# Altium PCB PCB_Project_Dangrangto.PcbDoc (part 1 of 2) (continued)
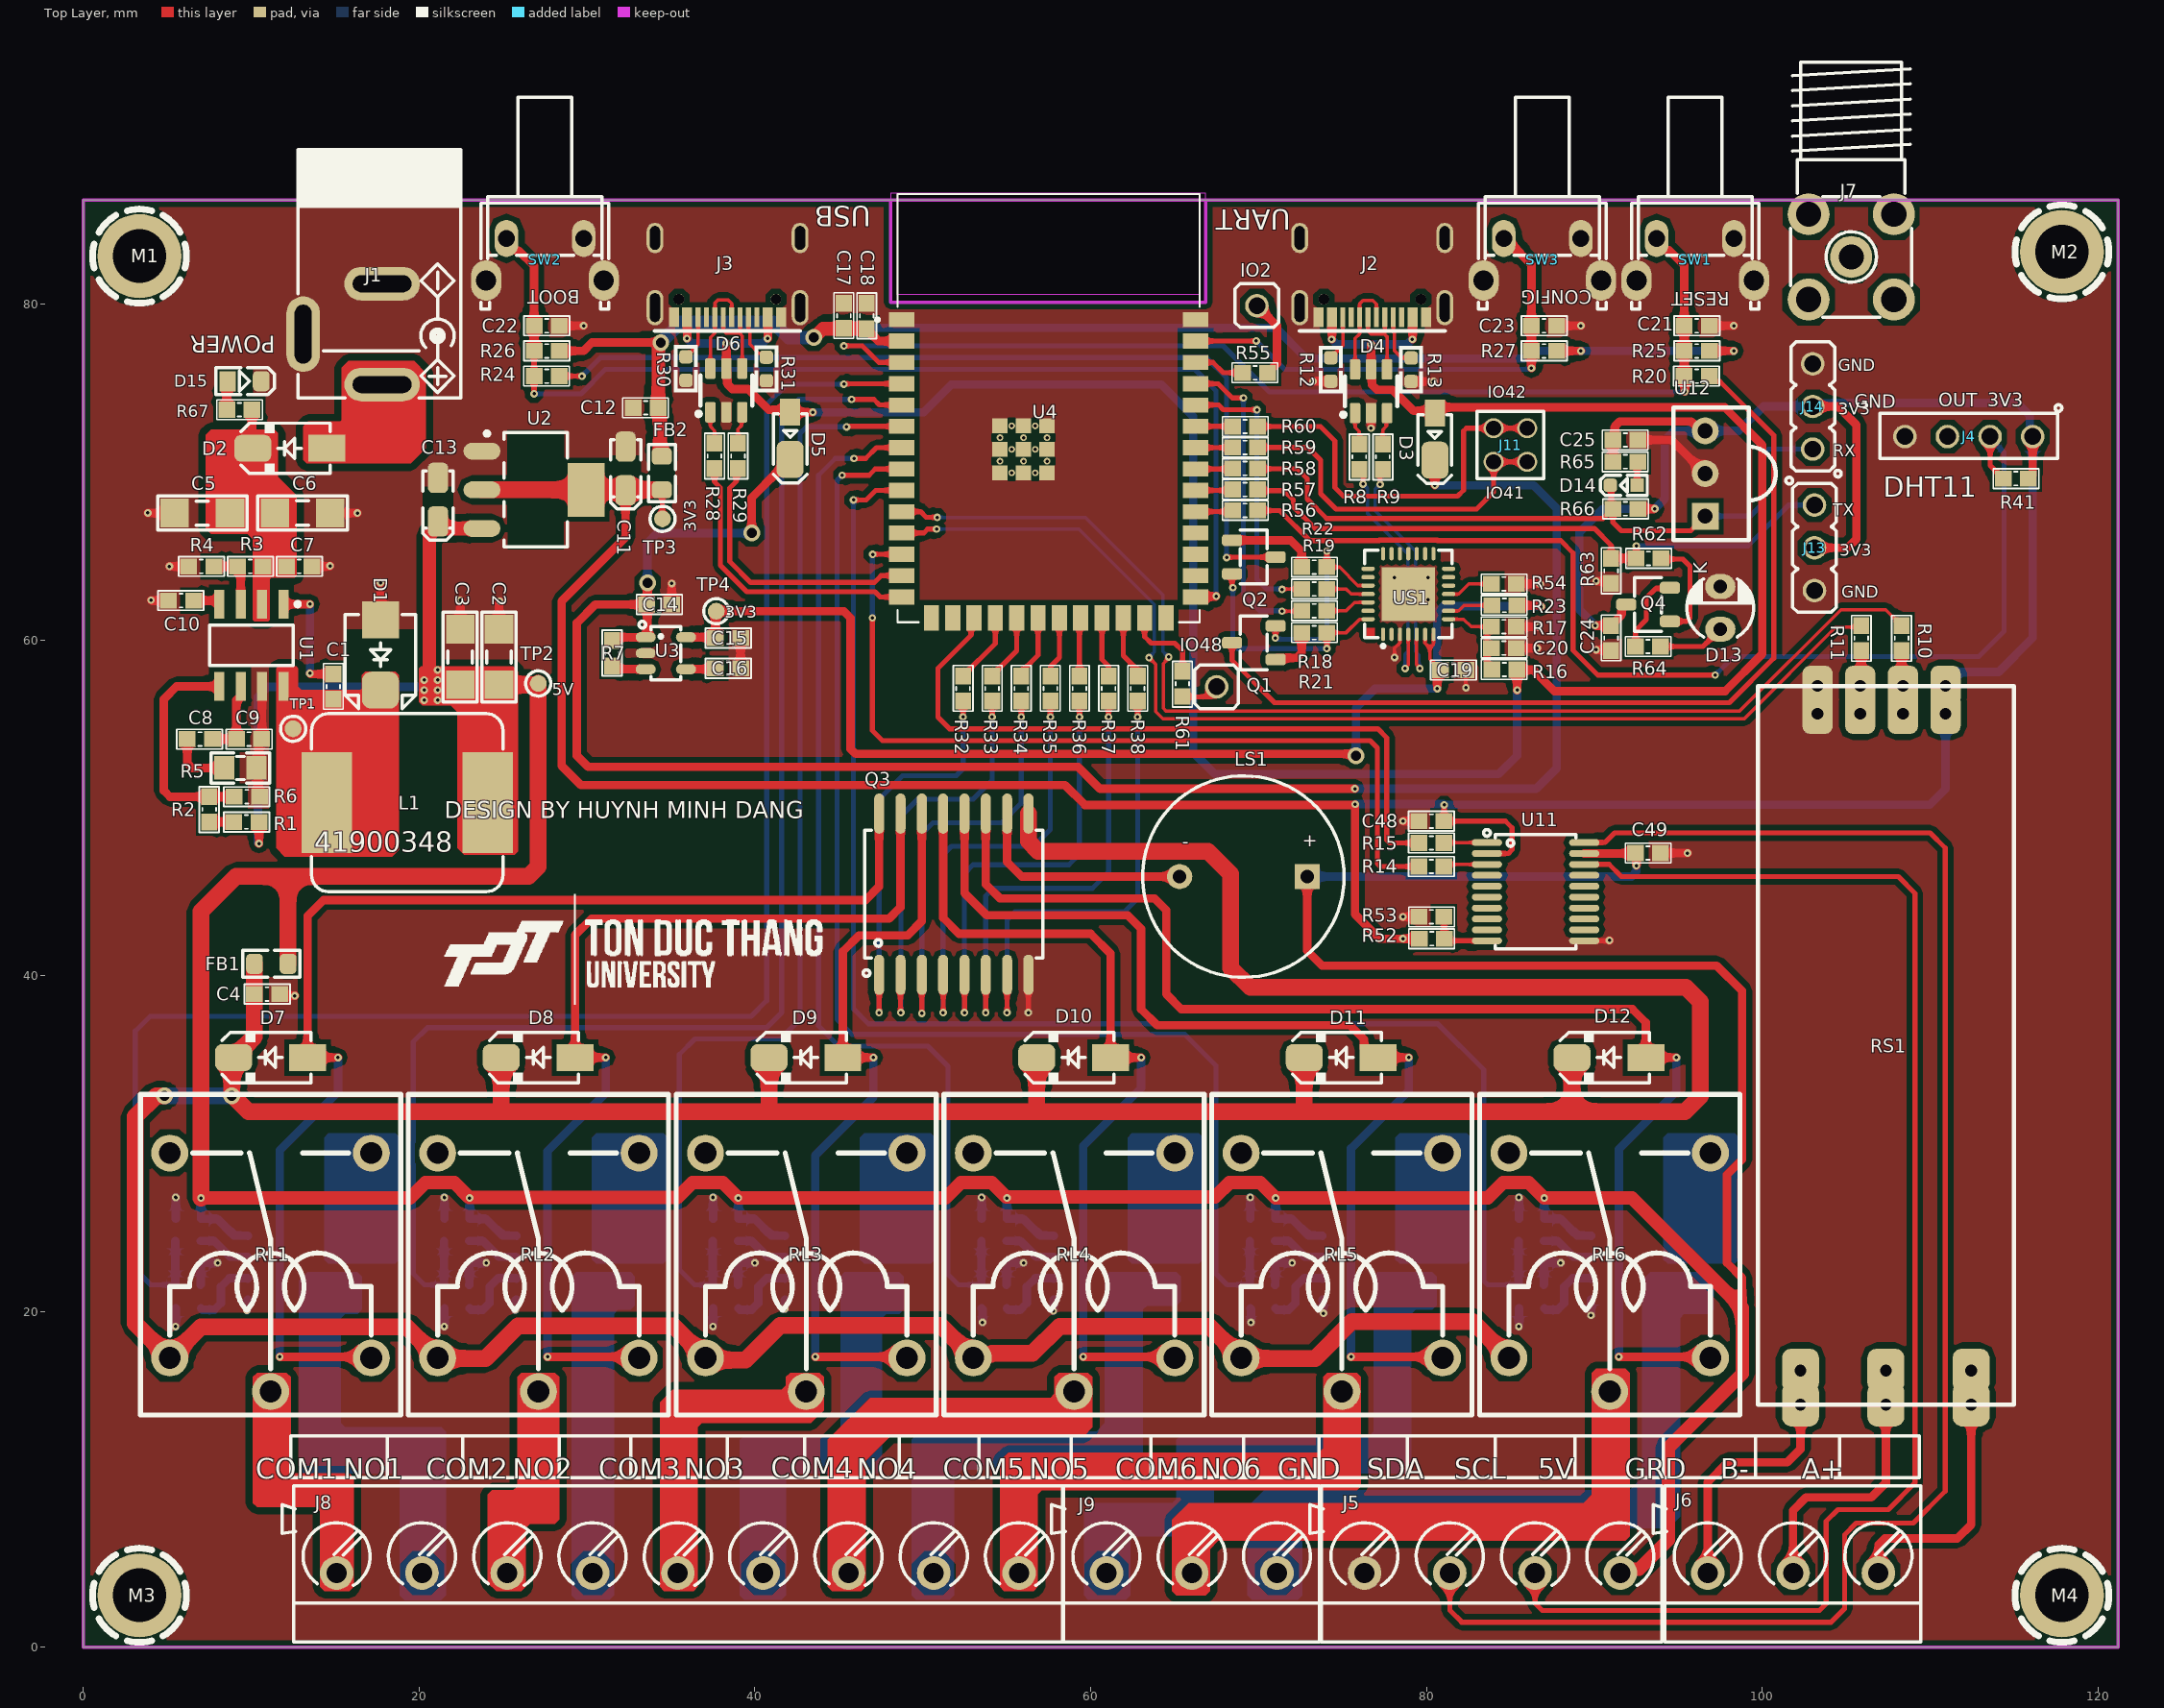
[diagram p0: Top Layer view]
## Components (designator, comment, footprint, x,y, rotation, side; value= is the part's Value field where it differs from the comment) (continued)
SW1 "PUSHBUTTON" SWPBT_SPST_R_6X6X10 96.007,83.9 r0 top
SW2 "PUSHBUTTON" SWPBT_SPST_R_6X6X10 27.5,83.9 r0 top
SW3 "PUSHBUTTON" SWPBT_SPST_R_6X6X10 86.9,83.9 r0 top
TP1 "TESTPOINT_PROBE" TEST_POINT_1.0X1.0MM 12.5,54.7 r0 top value=VALUE
TP2 "TESTPOINT_PROBE" TEST_POINT_1.0X1.0MM 27.1,57.4 r90 top value=VALUE
TP3 "TESTPOINT_PROBE" TEST_POINT_1.0X1.0MM 34.5,67.2 r0 top value=VALUE
TP4 "TESTPOINT_PROBE" TEST_POINT_1.0X1.0MM 37.7,61.7 r90 top value=VALUE
U1 "TPS54331DR_8SOIC" SOIC-8N 10.014,59.671 r270 top
U2 "LM1117IMP-3.3/NOPB" SOT223_4 26.948,68.931 r0 top value=LM1117MP-3.3
U3 "RT9193" SOT23_5 34.7,59.2 r0 top
U4 "ESP32-S3-WROOM-1-N8R8" XCVR_ESP32S3WROOM1N8R8 57.5,73.8 r0 top
U5 "ACS712_8SOIC" SO_8 12.6,22.6 r180 bottom value=ACS712
U6 "ACS712_8SOIC" SO_8 28.6,22.6 r180 bottom value=ACS712
U7 "ACS712_8SOIC" SO_8 44.6,22.6 r180 bottom value=ACS712
U8 "ACS712_8SOIC" SO_8 60.6,22.6 r180 bottom value=ACS712
U9 "ACS712_8SOIC" SO_8 76.6,22.6 r180 bottom value=ACS712
U10 "ACS712_8SOIC" SO_8 92.6,22.6 r180 bottom value=ACS712
U11 "TXS0108E" SOG65_20 86.5,45 r0 top
U12 "IR_Receiver_1838" IR_1838 96.6,69.9 r90 top
US1 "CP2102_QFN28" QFN50_28T 78.919,62.726 r90 top value=CP2102

## Footprints (in the part's own frame and the unit in brackets; to place one, negate y for a bottom-side part, rotate by r counter-clockwise, add the part's x,y. Pads: shape width x height; smd on the part's side, far side on the other; paste and mask are expansions set on the pad)
Buzzer [mm] "2PIN, 3.5mm pitch, 0.8mm pin width"
  rect 1.5x1.5 hole 0.8: 1(-3.8,0)
  round 1.5 hole 0.8: 2(3.8,0)
  silkscreen extent -6,-6 6,6, body extent -6.08,-6.01 9.37,5.99, height 9.65
C_TN_3216 [mm] "CAPACITOR, TAN A, 1206P, 3.2x1.6mm"
  rrect50% 1.8x1.2 smd mask+0.075: 1(-1.3,0) 2(1.3,0)
  Top Layer pour cut-out: -0.762,0.9 0.762,0.9 0.762,-0.9 -0.762,-0.9
  silkscreen extent -2.4,-0.9 1.7,0.9, body extent -1.7,-0.9 1.7,0.9, height 1.7
D_SMA [mm] "SMA Molded Diode, 2-Leads, Body 4.3x2.7mm, SOD-128"
  rect 2.2x1.6 smd: 1(-2.2,0)
  rrect50% 2.2x1.6 smd: 2(2.2,0)
  silkscreen extent -2.4,-1.5 2.9,1.5, body extent -2.75,-1.4 2.75,1.4, height 2.6
D_SMB [mm] "SMB Molded Diode, 2-Leads, Body 4.3x3.5mm"
  rect 2.2x2.2 smd: 1(-2.1,0)
  rrect50% 2.2x2.2 smd: 2(2.1,0)
  Top Layer pour cut-out: -1.524,2.1 -1.524,-2.1 1.524,-2.1 1.524,2.1
  silkscreen extent -2.4,-2.1 3.2,2.1, body extent -2.75,-1.95 2.75,1.95, height 2.45
D_SOD123W [mm] "PowerDI-123, SOD123, DO-213AA, 1206D"
  rect 1.6x1.2 smd mask+0.1: 1(-1.6,0)
  rrect50% 2.2x1.6 smd mask+0.1: 2(1.2,0)
  Top Layer pour cut-out: -1.016,1.1 -1.016,-1.1 1.016,-1.1 1.016,1.1
  silkscreen extent -1.5,-1 2.6,1, body extent -1.95,-0.97 1.95,0.96, height 1
HDR2_M_2X2 [mm] "Connector; Header; 2mm Pitch"
  round 1.2 / inner round 1.2 / far side oval 1.2x1.6 hole 0.9: 1(-1,-1) 2(-1,1) 3(1,-1) 4(1,1)
  silkscreen extent -2,-2 2,2, body extent -1.95,-2 1.95,2, height 6
HDR_F_1X4 [mm] "HEADER FEMALE pitch: 2.54mm"
  round 1.4 / inner round 1.4 / far side oval 1.4x2.2 hole 1 mask+0.1: 1(-3.81,0) 2(-1.27,0) 3(1.27,0) 4(3.81,0)
  silkscreen extent -5.54,-1.9 5.3,1.3, body extent -5.2,-1.3 5.21,1.2, height 8.5
HDR_M_1 [mm] "Connector; Header; 1 Position"
  round 1.4 / inner round 1.4 / far side oval 1.4x2.2 hole 1 mask+0.1: 1(0,0)
  silkscreen extent -1.3,-1.3 1.3,1.3, body extent -1.27,-1.27 1.27,1.27, height 8.54
HDR_M_1X3 [mm] "Connector; Header; 3 Position"
  round 1.4 / inner round 1.4 / far side oval 1.4x2.2 hole 1 mask+0.1: 1(-2.54,0) 2(0,0) 3(2.54,0)
  silkscreen extent -4.2,-1.7 3.84,1.3, body extent -3.78,-1.27 3.84,1.27, height 8.54
IR_1838 [mm] "SIP; 3 Leads; Body 3 x 4 x 1.5 mm (typ); Pitch 1.27 mm"
  rect 1.6x1.6 hole 0.9: 1(-2.54,0)
  round 1.6 hole 0.9: 2(0,0) 3(2.54,0)
  silkscreen extent -3.96,-4.21 3.93,1.88
JAC_PWR2 [mm] "DC POWER JACK, Power Jack KLDX-0202"
  oval 4.5x2 hole 1 slot 3.5 at 0 deg: 1(0,0) 2(0,6)
  oval 2x4.5 hole 1 slot 3.5 at 90 deg: 3(-4.7,3)
  silkscreen extent -5,-0.8 4.7,14, body extent -4.9,-0.65 4.5,13.85, height 10.8
L0805 [mm] "INDUCTOR, FERRITE BEAD, 0805, 2.0X1.3mm"
  rrect50% 1x1.2 smd mask+0.075: 1(-1,0) 2(1,0)
  Top Layer pour cut-out: -0.5,0.8 0.5,0.8 0.5,-0.8 -0.5,-0.8
  silkscreen extent -1.7,-0.8 1.7,0.8, body extent -1,-0.6 1,0.6, height 0.95
L_10 [mm] "INDUCTOR, 10.5X11.5mm, CDRH104R, MSS1038 (coilcraft)"
  rect 3x6 smd: 1(-4.8,0) 2(4.8,0)
  silkscreen extent -5.7,-5.3 5.7,5.3, body extent -5.75,-5.15 5.75,5.15, height 4.01
LED3MM [mm] "LED THD 3MM"
  oval 1.5x1.8 hole 0.8: 1(-1.27,0) 2(1.27,0)
  silkscreen extent -1.73,-2 1.73,2, body extent -1.9,-1.9 1.6,1.9, height 6.5
LED0603RED [mm] "LED SMD 0603, RED"
  rect 0.8x0.8 smd mask+0.075: 1(-0.8,0)
  rrect50% 0.8x0.8 smd mask+0.075: 2(0.8,0)
  silkscreen extent -1.4,-0.6 1.4,0.6, body extent -0.8,-0.4 0.8,0.4, height 0.5
LED0805RED [mm] "LED SMD 0805, RED"
  rect 1x1.2 smd mask+0.075: 1(-1,0)
  rrect50% 1x1.2 smd mask+0.075: 2(1,0)
  Top Layer pour cut-out: -0.5,0.8 0.5,0.8 0.5,-0.8 -0.5,-0.8
  silkscreen extent -1.7,-0.8 1.8,0.8, body extent -1,-0.63 1,0.63, height 0.7
QFN50_28T [mm] "QFN, 28, 5X5mm, 0.5mm"
  oval 0.8x0.25 smd mask+0.075: 1(-2.4,1.5) 2(-2.4,1) 3(-2.4,0.5) 4(-2.4,0) 5(-2.4,-0.5) 6(-2.4,-1) 7(-2.4,-1.5) 15(2.4,-1.5) 16(2.4,-1) 17(2.4,-0.5) 18(2.4,0) 19(2.4,0.5) 20(2.4,1) 21(2.4,1.5)
  oval 0.25x0.8 smd mask+0.075: 8(-1.5,-2.4) 9(-1,-2.4) 10(-0.5,-2.4) 11(0,-2.4) 12(0.5,-2.4) 13(1,-2.4) 14(1.5,-2.4) 22(1.5,2.4) 23(1,2.4) 24(0.5,2.4) 25(0,2.4) 26(-0.5,2.4) 27(-1,2.4) 28(-1.5,2.4)
  rect 3.2x3.2 smd mask+0.075: 29(0,0)
  Top Layer region: -2.5,2 -2,2 -2,2.5 -2.5,2.5
  silkscreen extent -3.2,-2.6 2.6,2.6, body extent -2.5,-2.5 2.5,2.5, height 1
R0603 [mm] "CHIP Resistor 1/10 WATT, 1.6x0.8mm, 0603, OPTIMIZED"
  rrect50% 0.8x0.8 smd mask+0.075: 1(-0.7,0) 2(0.7,0)
  Top Layer pour cut-out: -0.5,0.4 0.5,0.4 0.5,-0.4 -0.5,-0.4
  silkscreen extent -1.4,-0.7 1.4,0.7, body extent -0.85,-0.4 0.85,0.4, height 0.56
RL_10A_5V [mm] "Relay SRD-05VDC-SL-C, 5 pin, 10A,19.1X15.5"
  round 2.2 hole 1.3 mask+0.1: 1(-7.1,0) 2(7.1,6) 3(7.1,-6) 4(-5.1,-6) 5(-5.1,6)
  silkscreen extent -8.5,-7.75 10.6,7.75, body extent -8.39,-7.61 10.71,7.89, height 15.6
"RS485 - Version2" [mm]
  rrect50% 2.4x1.8 hole 0.7: 1(22.098,12.446) 1(23.749,12.446) 2(22.098,14.986) 2(23.749,14.986) 3(22.098,17.526) 3(23.749,17.526) 4(22.098,20.066) 4(23.749,20.066)
  rrect50% 2.6x2.2 hole 0.7: 5(62.865,21.59) 5(64.897,21.59) 6(62.865,16.51) 6(64.897,16.51) 7(62.865,11.43) 7(64.897,11.43)
  silkscreen extent 22.1,8.89 64.9,24.13, body extent 21.46,9.4 65.46,23.4, height 2.5
SCMH_M3FT [mm] "SCREW mouting, M3, 3.0mm diameter and 6.0mm, FlatHead"
  round 5 / inner round 3.5 / far side round 5 hole 3.2 mask+0.1: 1(0,0)
  Top Layer pour cut-out: 0,3 -1.148,2.772 -2.121,2.121 -2.772,1.148 -3,0 -3,0 -2.772,-1.148 -2.121,-2.121 -1.148,-2.772 0,-3 0,-3 1.5,-2.598 2.598,-1.5 3,0 3,0 2.772,1.148 2.121,2.121 1.148,2.772 0,3
  Bottom Layer pour cut-out: 0,3 -1.148,2.772 -2.121,2.121 -2.772,1.148 -3,0 -3,0 -2.772,-1.148 -2.121,-2.121 -1.148,-2.772 0,-3 0,-3 1.5,-2.598 2.598,-1.5 3,0 3,0 2.772,1.148 2.121,2.121 1.148,2.772 0,3
  silkscreen extent -2.8,-2.8 2.8,2.8
SMA_RA [mm] "CONN, RF, COAX, SMA, RIGHT ANGLE THD"
  round 2.5 hole 1.5: 1(0,0) 2(-2.54,-2.54) 3(2.54,-2.54) 4(2.54,2.54) 5(-2.54,2.54)
  silkscreen extent -3.6,-3.6 3.6,11.6, body extent -3.5,-3.54 3.5,11.56, height 10.26
SO_8 [mm] "SOP-8, 5x3.9mm body 1.27mm pitch, SOT96-1, M08A, S8, SOIC8, VO8, MS-012AA(JEDEC), R-8, 8S2, VOG8"
  oval 2x0.6 smd: 1(-2.8,1.905) 2(-2.8,0.635) 3(-2.8,-0.635) 4(-2.8,-1.905) 5(2.8,-1.905) 6(2.8,-0.635) 7(2.8,0.635) 8(2.8,1.905)
  silkscreen extent -2.8,-2.7 2.1,2.8, body extent -3,-2.45 3,2.45, height 1.7
SO_16_W [mm] "SOP, SOIC, 7.5mm width, 1.27mm pitch,"
  oval 2.4x0.6 smd: 1(-4.8,4.445) 2(-4.8,3.175) 3(-4.8,1.905) 4(-4.8,0.635) 5(-4.8,-0.635) 6(-4.8,-1.905) 7(-4.8,-3.175) 8(-4.8,-4.445) 9(4.8,-4.445) 10(4.8,-3.175) 11(4.8,-1.905) 12(4.8,-0.635) 13(4.8,0.635) 14(4.8,1.905) 15(4.8,3.175) 16(4.8,4.445)
  silkscreen extent -4.9,-5.3 3.8,5.4, body extent -5.21,-5.25 5.42,5.25, height 2.62
SOG65_20 [mm] "PW TSSOP (TI), MO-153-AC (JEDEC), 20Lead, pitch: 0.65mm, 6.5x4.4x1.2mm"
  oval 1.8x0.4 smd mask+0.075: 1(-2.9,2.925) 2(-2.9,2.275) 3(-2.9,1.625) 4(-2.9,0.975) 5(-2.9,0.325) 6(-2.9,-0.325) 7(-2.9,-0.975) 8(-2.9,-1.625) 9(-2.9,-2.275) 10(-2.9,-2.925) 11(2.9,-2.925) 12(2.9,-2.275) 13(2.9,-1.625) 14(2.9,-0.975) 15(2.9,-0.325) 16(2.9,0.325) 17(2.9,0.975) 18(2.9,1.625) 19(2.9,2.275) 20(2.9,2.925)
  silkscreen extent -3.1,-3.4 2.4,3.7, body extent -3.2,-3.25 3.2,3.25, height 1.2
SOIC-8N [mm] "SOIC, 8-Leads, Body 4.9x3.9mm, Pitch 1.27mm, IPC High Density"
  rect 1.7x0.6 smd: 1(-2.45,1.905) 2(-2.45,0.635) 3(-2.45,-0.635) 4(-2.45,-1.905) 5(2.45,-1.905) 6(2.45,-0.635) 7(2.45,0.635) 8(2.45,1.905)
  silkscreen extent -2.57,-2.5 1.2,2.88, body extent -3.1,-2.41 3.1,2.41, height 1.7
SOT23_3 [mm] "SOT-23, Micro3, MO-178, TO-236AB, MO-193C, SuperSOT3, SC-59, 1.5x3mm, Pitch 1.9mm"
  rrect50% 1.2x0.7 smd mask+0.1: 1(-1.3,1) 2(-1.3,-1) 3(1.3,0)
  silkscreen extent -0.8,-1.6 0.8,1.6, body extent -1.32,-1.5 1.32,1.5, height 1.08
SOT23_5 [mm] "SOT-23-5, SOT25, SOT-25, DBV(R-PDSO-G5), SOT753, TSOT23-5, SC-74A, SOT23-5, S5-T (LINEAR), MO-178AA, MO-193AB(JEDEC), MF05A (NS), TSOP-5(ON), UJ-5 (AD), 1.5x3mm, Pitch 0.65mm"
  oval 1.2x0.6 smd: 1(-1.2,0.95) 2(-1.2,0) 3(-1.2,-0.95) 4(1.2,-0.95) 5(1.2,0.95)
  silkscreen extent -1.6,-1.6 0.9,1.9, body extent -1.25,-1.5 1.25,1.5, height 1.15
SOT223_4 [mm] "SOT223, 4-Leads, Body 6.5x3.5mm, Pitch 2.30mm"
  oval 2.2x1 smd: 1(-3.2,2.3) 2(-3.2,0) 3(-3.2,-2.3)
  rect 2.2x3.2 smd: 4(3,0)
  Top Layer pour cut-out: -1.7,3.556 1.7,3.556 1.7,-3.556 -1.7,-3.556
  silkscreen extent -3.02,-3.4 1.9,3.47, body extent -3.5,-3.25 3.5,3.25, height 1.7
SOT-23-6_L2.9-W1.6-P0.95-LS2.8-BR [mm]
  rrect30% 1.22x0.62 smd: 1(1.3,-0.95) 2(1.3,0) 3(1.3,0.95) 4(-1.3,0.95) 5(-1.3,0) 6(-1.3,-0.95)
  silkscreen extent -0.9,-1.78 1.52,1.55, body extent -1.4,-1.45 1.4,1.45, height 1.45
SWPBT_SPST_R_6X6X10 [mm] "SWITCH, PUSHBUTTON, THD, SPST, 6X6mm, RIGHT ANGLE"
  oval 1.4x2.2 hole 1 mask+0.1: 1(-2.3,0) 2(2.3,0)
  oval 1.8x2.4 hole 1.2 mask+0.1: MH1(-3.5,-2.5) MH2(3.5,-2.5)
  silkscreen extent -3.8,-4.2 3.8,8.4, body extent -3.7,-4.15 3.7,8.35, height 7
TBB_3 [mm] "Terminal Block Blue"
  round 2 / inner round 2 / far side rect 2.4x3 hole 1.2: 1(-5.08,0)
  round 2 / inner round 2 / far side oval 2.4x3 hole 1.2: 2(0,0) 3(5.08,0)
  silkscreen extent -7.6,-5.2 8.34,4.1, body extent -7.49,-5.07 8.33,4, height 12.78
TBB_4 [mm] "Terminal Block Blue"
  round 2 / inner round 2 / far side rect 2.4x3 hole 1.2: 1(-7.62,0)
  round 2 / inner round 2 / far side oval 2.4x3 hole 1.2: 2(-2.54,0) 3(2.54,0) 4(7.62,0)
  silkscreen extent -10.1,-5.2 10.88,4.1, body extent -10.03,-5.03 10.87,4.04, height 12.52
TBB_9 [mm] "Terminal Block Blue"
  round 2 / inner round 2 / far side rect 2.4x3 hole 1.2: 1(-20.32,0)
  round 2 / inner round 2 / far side oval 2.4x3 hole 1.2: 2(-15.24,0) 3(-10.16,0) 4(-5.08,0) 5(0,0) 6(5.08,0) 7(10.16,0) 8(15.24,0) 9(20.32,0)
  silkscreen extent -22.9,-5.2 23.58,4.1, body extent -22.76,-5.05 23.54,4.01, height 12.52
TEST_POINT_1.0X1.0MM [mm]
  round 1 smd: 1(0,0)
  silkscreen extent -0.75,-0.75 0.75,0.75
"tro smd 0603" [mm] "Chip Capacitor, 2-Leads, Body 1,60x0,80mm, IPC Medium Density"
  rect 1x0.95 smd mask+0.076: 1(-0.75,0) 2(0.75,0)
  silkscreen extent -1.35,-0.58 1.37,0.58, body extent -0.82,-0.42 0.82,0.43, height 0.44
"tro smd 0805" [mm]
  rect 1.2x1.4 smd: 1(-0.946,-0.061) 2(0.954,-0.061)
  silkscreen extent -1.75,-0.97 1.75,0.84, body extent -1.56,-0.76 1.44,0.64, height 0.53
"tu 0603" [mm] "Chip Capacitor, 2-Leads, Body 1,60x0,80mm, IPC Medium Density"
  rect 1x0.95 smd mask+0.076: 1(-0.75,0) 2(0.75,0)
  silkscreen extent -1.35,-0.58 1.37,0.58, body extent -0.8,-0.4 0.8,0.4, height 0.9
"tu 1206" [mm]
  rect 1.7x1.7 smd: 1(-1.65,0) 2(1.65,0)
  silkscreen extent -2.67,-1.02 2.67,1.02, body extent -1.57,-0.8 1.63,0.8, height 0.94
USB-C-SMD_TYPE-C16PIN [mm]
  oval 1x2.099 hole 0.6 slot 1.7 at 90 deg: 1(4.295,-1.762) 2(-4.345,-1.762)
  oval 1x1.799 hole 0.6 slot 1.4 at 90 deg: 3(4.295,2.388) 4(-4.345,2.388)
  rect 0.6x1.15 smd mask+0.051: A1B12(3.175,-2.337) A4B9(2.375,-2.337) B1A12(-3.225,-2.337) B4A9(-2.425,-2.337)
  rect 0.3x1.15 smd mask+0.051: A5(1.225,-2.337) A6(0.225,-2.337) A7(-0.275,-2.337) A8(1.725,-2.337) B5(-1.775,-2.337) B6(-0.775,-2.337) B7(0.725,-2.337) B8(-1.275,-2.337)
  round 0.65 hole 0.65 unplated: ""(-2.915,-1.262) ""(2.865,-1.262)
  silkscreen extent -4.34,-3.15 4.29,-3.15, body extent -4.5,-2.91 4.45,4.99, height 3.16
XCVR_ESP32S3WROOM1N8R8 [mm]
  rect 1.5x0.9 smd: 1(-8.75,5.26) 2(-8.75,3.99) 3(-8.75,2.72) 4(-8.75,1.45) 5(-8.75,0.18) 6(-8.75,-1.09) 7(-8.75,-2.36) 8(-8.75,-3.63) 9(-8.75,-4.9) 10(-8.75,-6.17) 11(-8.75,-7.44) 12(-8.75,-8.71) 13(-8.75,-9.98) 14(-8.75,-11.25) 27(8.75,-11.25) 28(8.75,-9.98) 29(8.75,-8.71) 30(8.75,-7.44) 31(8.75,-6.17) 32(8.75,-4.9) 33(8.75,-3.63) 34(8.75,-2.36) 35(8.75,-1.09) 36(8.75,0.18) 37(8.75,1.45) 38(8.75,2.72) 39(8.75,3.99) 40(8.75,5.26)
  rect 0.9x1.5 smd: 15(-6.985,-12.5) 16(-5.715,-12.5) 17(-4.445,-12.5) 18(-3.175,-12.5) 19(-1.905,-12.5) 20(-0.635,-12.5) 21(0.635,-12.5) 22(1.905,-12.5) 23(3.175,-12.5) 24(4.445,-12.5) 25(5.715,-12.5) 26(6.985,-12.5)
  rect 0.9x0.9 smd: 41_1(-1.5,-2.46) 41_2(-2.9,-2.46) 41_3(-0.1,-2.46) 41_4(-2.9,-3.86) 41_5(-1.5,-3.86) 41_6(-0.1,-3.86) 41_7(-2.9,-1.06) 41_8(-1.5,-1.06) 41_9(-0.1,-1.06)
  round 0.4 hole 0.2 mask+0: 41_10(-1.5,-1.76) 41_11(-2.9,-1.76) 41_12(-0.1,-1.76) 41_13(-2.9,-3.16) 41_14(-1.5,-3.16) 41_15(-0.1,-3.16) 41_16(-2.2,-1.06) 41_17(-0.8,-1.06) 41_18(-2.2,-2.46) 41_19(-0.8,-2.46) 41_20(-2.2,-3.86) 41_21(-0.8,-3.86)
  Keep-Out Layer region: 9,6.75 -9,6.75 -9,12.75 9,12.75
  Keep-Out Layer region: 9,6.75 -9,6.75 -9,12.75 9,12.75
  silkscreen extent -10.3,-12.75 9,12.75, body extent -9,-12.75 9,12.75, height 3.25

## Part data
C1 C4 C7 C8 C9 C12 C14 C15 C16 C17 C18 C19 C20 C21 C22 C23 C24 C25 C30 C31 C32 C33 C34 C35 C36 C37 C38 C39 C40 C41 C42 C43 C44 C45 C46 C47 C48 C49: library part "Tu 0603 470pF 50V 10%", "Capacitor, Ceramic, 50V", Chung_Loai=Dán, Don_Vi=Con, So_Chan=2, Ten_Linh_Kien="Tụ 0603 470P 50V 10%"
  C1 C4 C12 C17 C21 C22 C23 C25 C30 C31 C32 C33 C36 C37 C38 C39 C42 C43 C44 C45 C48 C49: Ma_Hang=100nF
  C7: Ma_Hang=0.01uF
  C8: Ma_Hang=1000pF
  C9: Ma_Hang=47pF
  C14 C15 C20 C24: Ma_Hang=1uF
  C16: Ma_Hang=22nF
  C18: Ma_Hang=22uF
  C19: Ma_Hang=10uF
  C34 C35 C40 C41 C46 C47: Ma_Hang=1nF
C2 C3 C5 C6: library part "Tu 1206 103 50V 10%", "Capacitor, Ceramic, 50V", Chung_Loai=Dán, Don_Vi=Con, So_Chan=2, Ten_Linh_Kien="Tụ 1206 103-10nF 10% 50V"
  C2 C3: Ma_Hang=47uF
  C5 C6: Ma_Hang=4.7uF
C10: library part "Tu 0603 470pF 50V 10%", "CAP SMD 0603", Chung_Loai=Dán, Don_Vi=Con, Ma_Hang=0.01uH, So_Chan=2, Ten_Linh_Kien="Tụ 0603 470P 50V 10%"
C11: library part CAP_SMD_TAN_10uF_6.3V, "CAP, SMD, TAN", MANF=VISHAY, MANF_P#=T55A106M6R3C0300, PARAM="20%, 300mOhm, -55~105oC", PARAM2=6.3V, PRICE=0.46$
C13: library part CAP_SMD_TAN_10uF_10V, "CAP, SMD, TAN", MANF=VISHAY, MANF_P#=T55A106M010C0300, PARAM="20%, 300mOhm, -55~105oC", PARAM2=10V, PRICE=0.46$
D1: library part DIODE_SMD_SCHOTTKY_SS34, "DIODE, SCHOTTKY, 20V, 3A", ASSEMBLY=ASSEMBLY, DESC=DESCRIPTION, MANF=VISHAY, MANF_P#=SS34, PARAM=20V, PARAM2=3A, PRICE=PRICE
D2: library part DIODE_SMD_SCHOTTKY_1N5822, "DIODE, SCHOTTKY, 40V, 3A", ASSEMBLY=ASSEMBLY, DESC=DESCRIPTION, MANF=DIODES, MANF_P#=1N5822, PARAM=40V, PARAM2=3A, PRICE=PRICE
D3 D5: library part DIODE_SMD_SCHOTTKY_1N5819, "DIODE, SCHOTTKY, 40V, 1A", ASSEMBLY=ASSEMBLY, DESC=DESCRIPTION, MANF=DIODES, MANF_P#=1N5819HW-7-F, PARAM=40V, PARAM2=1A, PRICE=PRICE
D4 D6: library part ESD_TPUSBLC6-2SC6, "ESD ROHS SOT23-6 DIODES", LCSC Part Number=C558442, Manufacturer="TECH PUBLIC", Package=SOT-23-6, Assembly Type="SMT Assembly", Manufacturer Part Number=TPUSBLC6-2SC6
D7 D8 D9 D10 D11 D12: library part DIODE_SMD_1N4007, "DIODE, GENERAL PURPOSE, 1000V/1A", ASSEMBLY=ASSEMBLY, DESC=DESCRIPTION, MANF=Kingtronics, MANF_P#=M7, PARAM="1000V VRRM", PARAM2=1A, PRICE=PRICE
D13: library part LED_THD_3MM, "LED, THD, 3MM, GREEN", ASSEMBLY=ASSEMBLY, DESC=DESCRIPTION, MANF=MANF, MANF_P#=MANF_PART#, PARAM2=2.2V, PRICE=PRICE
D14: library part LED_SMD_0603_RED, "LED, SMD, 0603, RED", ASSEMBLY=ASSEMBLY, DESC=DESCRIPTION, MANF=MANF, MANF_P#=MANF_PART#, PARAM="30mA, 640nm", PARAM2=1.8~2.5V, PRICE=PRICE
D15: library part LED_SMD_0805_RED, "LED, SMD, 0805, RED", ASSEMBLY=ASSEMBLY, DESC=DESCRIPTION, MANF=MANF, MANF_P#=MANF_PART#, PARAM2=2.2V, PRICE=36t@Javan
FB1 FB2: library part FBEAD_SMD_BLM21PG221, "FERRITE_Bead, 0805, 2A, 50mOhm, 220@100MHz", MANF=MURATA, MANF_P#=BLM15AG121SN1D, PARAM=220@100MHz, PARAM2="2A, 50mOhm"
IO2 IO48: library part HDR_M_1, "CONN, HEADER, Male, pitch: 2.54mm, 1POS"
J1: library part CONN_PWR_JACKR2, "CONN, PWR JACK DC, PLUG DIAM 2.0MM RA THD", MANF="CUI STACK", MANF_P#="PJ-202A, PJ-002AH, PJ-102AH, KLDX-0202"
J2 J3: "5A 1 Surface Mount 16 Female -25℃~+85℃ Type-C SMD USB Connectors ROHS", LCSC Part Number=C2765186, Manufacturer="SHOU HAN", Manufacturer Part Number=TYPE-C16PIN, Package=SMD, Assembly Type="SMT Assembly"
J4: library part HDR_F_1X4, "CONN, HEADER, Female, pitch: 2.54mm, 4POS"
J5 J6 J8 J9: "CONN, TERMINAL BLOCK, 5.08mm pitch"
J7: library part CONN_RF_SMA_RA, "CONN, RF, SMA, Right Angle", ASSEMBLY=ASSEMBLY, DESC=DESCRIPTION, DIST#=DIGIKEY, MANF=Samtec, MANF_P#=SMA-J-P-H-RA-TH1, PARAM="50Ohm, 20GHz", PARAM2=GOLD, PRICE=6.3$
J11: library part HDR2_M_2X2, "CONN, HEADER, Male, pitch: 2mm, 4POS", MANF=MANF, MANF_P#=MANF_PART#
J13 J14: library part HDR_M_1X3, "CONN, HEADER, Male, pitch: 2.54mm, 3POS"
L1: library part INDPWR_SMD, "INDUCTOR, POWER, SMD"
LS1: "Magnetic Transducer Buzzer", ComponentLink1Description="Manufacturer Link", ComponentLink1URL=http://www.megastar.com/linecard/buzzmode/index.php, DatasheetDocument=17-Dec-2003, LatestRevisionDate=17-Dec-2003, LatestRevisionNote="Schematic revised, PCB Footprint replaced.", PackageReference=ABSM-1574, Published=24-Mar-1999, Publisher="Altium Limited"
M1 M2 M3 M4: library part SCMH_M3FT, "SCREW mouting, M3, 3.0mm diameter and 6.0mm, FlatHead", ASSEMBLY=DNP
Q1 Q2: library part NPN_MMBT8050_SOT23, "BJT, NPN, 25v, 1.5A, SMD, SOT23", MANF=GALAXY, MANF_P#=MMBT8050, PARAM="25v, 1.5A", PARAM2=300mW, PRICE=0.09t@JAVAN
Q3: "Darlington, 7-CH, 50V, 0.5A", MANF=DIODES, MANF_P#=ULN2003A, PARAM="7-CH, 50V, 0.5A", PARAM2=-
Q4: library part NPN_SS8050_SOT23, "BJT, NPN, 25v, 1.5A, SMD, SOT23", MANF=GALAXY, MANF_P#=SS8050, PARAM="25v, 1.5A", PARAM2=300mW
R1 R2 R3 R4 R6 R7 R8 R9 R10 R11 R14 R15 R16 R17 R18 R19 R20 R21 R22 R23 R24 R25 R26 R27 R28 R29 R32 R33 R34 R35 R36 R37 R38 R39 R40 R41 R42 R43 R44 R45 R46 R47 R48 R49 R50 R51 R52 R53 R54 R55 R56 R57 R58 R59 R60 R61 R62 R63 R64 R65 R66 R67: library part "Tro 0603 5% 10k", "RES SMD 0603", Chung_Loai=Dán, Don_Vi=Con, So_Chan=2, Ten_Linh_Kien="Trở 0603 5% 10k"
  R1 R8 R9 R10 R11 R14 R15 R18 R19 R20 R24 R28 R29 R32 R33 R34 R35 R36 R37 R38 R55 R56 R57 R58 R59 R60 R61: Ma_Hang=0R
  R2: Ma_Hang=6K8
  R3 R7 R21 R22 R54 R67: Ma_Hang=10K
  R4 R23 R25 R26 R27 R39 R40 R41 R44 R45 R48 R49 R52 R53 R62 R65: Ma_Hang=1K
  R6: Ma_Hang=1K3
  R16: Ma_Hang=22.1K
  R17: Ma_Hang=47.5K
  R42 R43 R46 R47 R50 R51: Ma_Hang=2K
  R63: Ma_Hang=22K
  R64: Ma_Hang=11
  R66: Ma_Hang=4K7
R5: library part "Tro 0805 1% 5.1k", "Dán", Chung_Loai=Dán, Don_Vi=Con, Ma_Hang=29.4K, So_Chan=2, Ten_Linh_Kien="Trở 0805 1% 5.1k"
R12 R13 R30 R31: library part RES_SMD_0603, "RESISTOR, SMD", ASSEMBLY=ASSEMBLY, DESC=DESCRIPTION, DIST#=MOUSER, MANF=-, MANF_P#=-, PARAM=-W, PARAM2=1%, PRICE="100= 0.5$"
RL1 RL2 RL3 RL4 RL5 RL6: library part "Relay 5V10A", "Relay SPDT,10A - 12VDC 5 Pin"
SW1 SW2 SW3: library part SWPBT_SPST_R_6X6X10, "SWITCH, PUSH BUTTON, TACTILE, THD, SPST, RIGHT", ASSEMBLY=ASSEMBLY, DESC=DESCRIPTION, MANF=-, MANF_P#=-, PARAM=50mA/12VDC, PRICE=0.3$
TP1 TP2 TP3 TP4: "TEST POINT", MANF=MANF, MANF_P#=MANF_P#
U1: library part TPS54331DR, "IC REG BUCK ADJ 3A 8SOIC"
U2: library part VREG_1117_SOT223, "REG, Linear, LDO1V, 0.8A, SOT-223", MANF="TI, ON, ST", MANF_P#="LD1117, LM1117, AMS1117, TLV1117, REG1117, NCP1117, LT1117, SPX1117", PARAM="LDO1V, 0.8A", PARAM2=1.2/1.5/1.8/2.5/2.85/3.3/5V
U3: library part VREG_LDO_SOT23_5, "REG, Linear, LDO, SOT-23-5", MANF=-, MANF_P#="AS1353, MIC5504YM5, MCP1824T-3302E/OT, ADP122AUJZ, TLV70233DBVR, LDK130M33R, NCP603SN, AP2210K, AP7331, AP2125K, RP114N"
U4: "Bluetooth, WiFi 802.11b/g/n, Bluetooth v5.0 Transceiver Module 2.4GHz PCB Trace Surface Mount", Package=None, Availability="In Stock", Check_prices=https://www.snapeda.com/parts/ESP32-S3-WROOM-1-N8R8/Espressif+Systems/view-part/?ref=eda, MF="Espressif Systems", MP=ESP32-S3-WROOM-1-N8R8, PRICE=None, Purchase-URL=https://pricing.snapeda.com/search?q=ESP32-S3-WROOM-1-N8R8&ref=eda, SnapEDA_Link=https://www.snapeda.com/parts/ESP32-S3-WROOM-1-N8R8/Espressif+Systems/view-part/?ref=snap
U5 U6 U7 U8 U9 U10: library part ACS712, "IC, CURRENT SENSOR, HALL EFFECT", MANF=Allegro, MANF_P#=ACS712, PARAM="66~185mV/A, 20/30A max, -40~85oC", PARAM2="5Vcc, 80KHz BW"
U11: library part TXS0108_SSOP20, "Level Translator, Octal", MANF="Texas Instruments", MANF_P#=TXS0108EPWR
U12: library part IR_1838, "1A Regulator"
US1: "USB-UART BRIDGE", ASSEMBLY=ASSEMBLY, DESC=DESCRIPTION, MANF="SILICON LABS", MANF_P#=CP2102, PARAM2=3.3V, PRICE=PRICE

## Via types
v1: diameter 0.45, hole 0.2, Top Layer to Bottom Layer, tented both sides, 158 vias
v2: diameter 1, hole 0.6, Top Layer to Bottom Layer, tented both sides, 7 vias

## Nets (pads, with @x,y where several pads share a name; then routed paths per layer and width w, separated by ;. In a path a pad name is that pad's centre, name@x,y a point inside that pad or via, vN(x,y) a via of type N, cw(c..) or ccw(c..) an arc to the next point about the centre after c; other vN are vias at no path point)
3V3: C11.1 C24.2 C25.2 C48.1 FB2.1 J4.1 J13.2 J14.2 Q4.3 R41.2 R52.2 R65.2 R66.2 RS1.4 TP3.1 U2.2 U2.4 U11.2 U12.3 | length 224.2
  Top Layer w0.3: FB2.1@34.461,68.929 34.694,68.696 34.59,68.696 34.48,68.587 34.48,67.22 TP3.1@34.5,67.2 ; v1(81.056,50.169) 81.056,49.206 C48.1@81.05,49.2 84.7,49.2 85.1,48.8 85.1,47.5 84.875,47.275 U11.2@83.6,47.275
  Top Layer w0.5: C11.1@32.3,68.9 32.3,66.1 28.5,62.3 28.5,52.5 29.646,51.354 58.472,51.354 59.66,50.166 75.713,50.166 v1(75.752,50.205) 75.752,43.648 77.2,42.2 v1(78.6,42.2) R52.2@79.575,42.2 ; v1(90.05,60.85) C24.2@91,60.85 ; R65.2@91.1,70.6 C25.2@91.1,71.9 91.218,72.018 91.218,72.707 91.511,73 95.757,73 96.317,72.44 U12.3@96.6,72.44 ; C24.2@91.25,61.1 91.621,61.471 91.621,62 91.721,62.1 Q4.3@91.9,62.1 ; R66.2@92.6,67.8 v1(93.6,67.8) ; J14.2@103.005,73.895 104.505,73.895 105.6,72.8 105.6,66 105.076,65.476 J13.2@103.106,65.476 ; R41.2@115.85,69.6 115.875,69.6 116.1,69.825 116.1,70.108 116.11,70.118 J4.1@116.11,72.1
  Top Layer w1: U2.2@23.748,68.931 U2.4@29.948,68.931 34.359,68.931 34.361,68.929 FB2.1@34.461,68.929
  Bottom Layer w0.5: v1(75.752,50.205) 75.771,50.224 81,50.224 v1(81.056,50.169) 109.969,50.169 110.916,51.116 RS1.4@110.916,55.601 RS1.4@110.916,57.252 110.916,57.444 111.551,58.079 114.077,58.079 116.11,60.112 J4.1@116.11,72.1 115.938,72.272 115.938,73.362 115.2,74.1 104.148,74.1 104.115,74.067 103.177,74.067 J14.2@103.005,73.895 100.055,73.895 98.6,72.44 U12.3@96.6,72.44 94.74,72.44 94.2,71.9 94.2,68.4 v1(93.6,67.8) 90.5,67.8 89.1,66.4 89.1,61.8 v1(90.05,60.85)
3V3_MCU: C12.1 C17.1 C18.1 FB2.2 R25.2 R26.2 R27.2 U4.2 | length 88
  Top Layer w0.5: R26.2@28.35,77.2 29.8,77.2 30.304,77.704 v2(34.4,77.704) ; C18.1@46.663,78.534 46.663,78.487 C18.1@46.704,78.446 ; C18.1@46.704,78.517 C18.1@46.704,78.446 ; U4.2@48.75,77.79 47.36,77.79 C18.1@46.704,78.446 ; R27.2@87.75,77.2 v1(89.2,77.2) ; R25.2@96.85,77.2 v1(98.3,77.2)
  Top Layer w0.8: v2(34.4,77.704) 34.4,77.65 34.25,77.5 34.25,73.89 34.245,73.885 C12.1@34.245,73.815 34.27,73.815 34.345,73.74 34.345,71.029 34.445,70.929 FB2.2@34.461,70.929 ; v2(43.5,78) 43.535,78 44.069,78.534 C18.1@46.663,78.534 ; C17.1@45.3,78.55 C17.1@45.3,78.575
  Bottom Layer w0.5: v2(43.5,78) 44.081,78.581 71.019,78.581 72.846,76.754 85.8,76.754 86.246,77.2 v1(89.2,77.2) v1(98.3,77.2)
  Bottom Layer w0.8: v2(34.4,77.704) 35.596,78.9 41.1,78.9 42,78 v2(43.5,78)
5V: C2.1 C3.1 C13.1 C30.1 C31.1 C36.1 C37.1 C42.1 C43.1 C49.1 FB1.1 J5.1 L1.2 LS1.1 R1.2 TP2.1 U2.3 U5.8 U6.8 U7.8 U8.8 U9.8 U10.8 U11.19 | length 308
  Top Layer w0.5: v1(10.461,47.871) 10.467,47.877 R1.2@10.467,49.147 ; LS1.1@72.9,45.9 72.9,41.487 73.787,40.6 97.289,40.6 98.8,39.089 98.8,29.052 97.896,28.148 97.896,22.901 98.8,21.997 98.8,20.2 ; U11.19@89.4,47.275 92.425,47.275 C49.1@92.45,47.3 92.5,47.25 v1(92.5,46.554)
  Top Layer w0.8: v1(7.012,26.762) 19.462,26.762 20.379,27.679 22.095,27.679 22.974,26.8 35.4,26.8 36.279,27.679 38.095,27.679 v1(39.012,26.762) 51.362,26.762 52.279,27.679 54.095,27.679 54.963,26.811 67.411,26.811 68.279,27.679 70.095,27.679 v1(71.012,26.762) 83.662,26.762 84.579,27.679 86.095,27.679 v1(87.012,26.762) 92.238,26.762 98.8,20.2 98.8,16.3 94.4,11.9 94.4,6.4 92.656,4.656 91.778,4.656 J5.1@91.548,4.426 ; 20.6,58.1 20.6,66.211 21.131,66.742 21.131,66.831 21.331,66.631 U2.3@23.748,66.631
  Top Layer w1: v1(7.012,26.762) 7.012,43.812 9.1,45.9 26.514,45.9 27.1,46.486 TP2.1@27.1,57.4 27.026,57.326 C2.1@24.765,57.326 ; FB1.1@12.2,40.7 12.2,45.9
  Bottom Layer w0.5: v1(7.012,26.762) C30.1@7.012,25.521 7.98,25.521 8.977,24.524 9.781,24.524 U5.8@9.8,24.505 ; v1(10.461,47.871) 10.4,47.931 10.4,56.6 11,57.2 20.3,57.2 v1(20.3,57.6) ; v1(23.012,26.762) C31.1@23.012,25.521 23.98,25.521 24.977,24.524 25.781,24.524 U6.8@25.8,24.505 ; v1(39.012,26.762) C36.1@39.012,25.521 39.98,25.521 40.977,24.524 41.781,24.524 U7.8@41.8,24.505 ; v1(55.012,26.762) C37.1@55.012,25.521 55.98,25.521 56.977,24.524 57.781,24.524 U8.8@57.8,24.505 ; v1(71.012,26.762) C42.1@71.012,25.521 71.98,25.521 72.977,24.524 73.781,24.524 U9.8@73.8,24.505 ; LS1.1@72.9,45.9 92.207,45.9 92.5,46.193 v1(92.5,46.554) ; v1(87.012,26.762) C43.1@87.012,25.521 87.98,25.521 88.977,24.524 89.781,24.524 U10.8@89.8,24.505
  other v1: 20.3,56.4 21.1,56.4 20.3,57 21.1,57 21.1,57.6 21.1,58.2
5V_RELAY: C4.1 D7.2 D8.2 D9.2 D10.2 D11.2 D12.2 FB1.2 Q3.9 RL1.5 RL2.5 RL3.5 RL4.5 RL5.5 RL6.5 | length 276.2
  Top Layer w1: v2(4.85,32.85) 4.35,32.85 3.1,31.6 3.1,19.29 RL1.5@5.157,17.233 7.011,19.087 19.254,19.087 RL2.5@21.108,17.233 21.141,17.2 23.96,17.2 25.901,19.141 35.151,19.141 RL3.5@37.059,17.233 37.188,17.104 39.441,17.104 41.507,19.17 51.073,19.17 52.781,17.463 54.089,17.463 54.126,17.5 56.538,17.5 58.163,19.125 67.07,19.125 RL5.5@68.962,17.233 68.995,17.2 73.359,17.2 75.559,19.4 82.746,19.4 RL6.5@84.683,17.463 ; v2(8.85,32.85) 8.85,35.016 D7.2@8.957,35.123 ; v2@8.957,32.786 9.843,31.9 24.8,31.9 ; D7.2@9.257,35.123 9.557,35.423 9.557,35.723 10.195,36.361 C4.1@10.195,38.903 10.2,38.908 FB1.2@10.2,40.7 ; D8.2@24.899,35.123 24.899,31.999 24.8,31.9 ; D9.2@40.841,35.123 40.841,32.041 40.7,31.9 ; Q3.9@56.295,49.65 56.295,47.99 56.881,47.404 66.996,47.404 68.35,46.05 68.35,40.45 69.5,39.3 95.456,39.3 96.3,38.456 96.3,32.8 95.4,31.9 88.668,31.9 ; D10.2@56.783,35.123 56.783,32.017 56.9,31.9 ; D11.2@72.726,35.123 72.726,31.974 72.8,31.9 ; D12.2@88.668,35.123 88.668,31.9 ; 24.8,31.9 40.7,31.9 ; 40.7,31.9 56.9,31.9 ; 56.9,31.9 72.8,31.9 ; 72.8,31.9 88.668,31.9
  Bottom Layer w1: v2(4.85,32.85) v2(8.85,32.85)
12V: C5.1 C6.1 C7.1 D2.2 R3.2 R67.2 U1.2 | length 2.3
  Top Layer w0.5: R67.2@10.05,73.7 10.05,71.45 D2.2@10.1,71.4
A+: J6.1 RS1.5 | length 16.9
  Top Layer w0.5: J6.1@106.915,4.426 106.915,6.11 107.287,6.482 111.617,6.482 112.44,7.306 RS1.5@112.44,14.453 RS1.5@112.44,16.485
B-: J6.2 RS1.6 | length 14.6
  Top Layer w0.5: J6.2@101.835,4.426 101.835,8.148 102.612,8.925 106.497,8.925 107.36,9.788 RS1.6@107.36,14.453
COM1: J8.9 RL1.1
COM2: J8.7 RL2.1
COM3: J8.5 RL3.1
COM4: J8.3 RL4.1
COM5: J8.1 RL5.1
COM6: J9.2 RL6.1
CONFIG: C23.1 R27.1 SW3.1 U4.39 | length 29.3
  Top Layer w0.3: U4.39@66.25,77.79 67.89,77.79 67.891,77.791 v1(69.862,77.791)
  Top Layer w0.5: SW3.1@84.6,84 84.6,83.844 85.016,83.428 85.172,83.428 86.25,82.35 C23.1@86.25,78.7 R27.1@86.25,77.2 v1(86.25,76.173)
  Bottom Layer w0.3: v1(69.862,77.791) 71.553,76.1 86.07,76.1 86.115,76.145 v1@86.221,76.145
DTR: Q2.2 R21.2 US1.28 | length 13.7
  Top Layer w0.2: R21.2@74.069,60.426 75.219,60.426 76.019,61.226 US1.28@76.519,61.226
  Top Layer w0.3: Q2.2@68.419,63.926 68.419,63.192 68.471,63.141 v1(68.471,63.1) ; R21.2@74.069,60.426 v1(74.069,59.476) v1@74.119,59.426
  Bottom Layer w0.3: v1(68.471,63.1) 68.471,59.774 68.769,59.476 v1(74.069,59.476)
EN: C21.1 R20.2 R25.1 SW1.1 U4.3 | length 65
  Top Layer w0.3: v1(45.3,77.5) 46.4,77.5 47.38,76.52 U4.3@48.75,76.52
  Top Layer w0.5: SW1.1@93.707,83.928 93.707,83.772 94.276,83.203 94.432,83.203 95.35,82.285 C21.1@95.35,78.7 R25.1@95.35,77.2 R20.2@95.35,75.7 95.384,75.666 v1(95.384,74.779)
  Bottom Layer w0.3: v1(45.3,77.5) 67.9,77.5 70.648,74.752 95.357,74.752 v1(95.384,74.779)